# Altium PCB ArduinoUnoShield.PcbDoc (part 1 of 2) (continued)
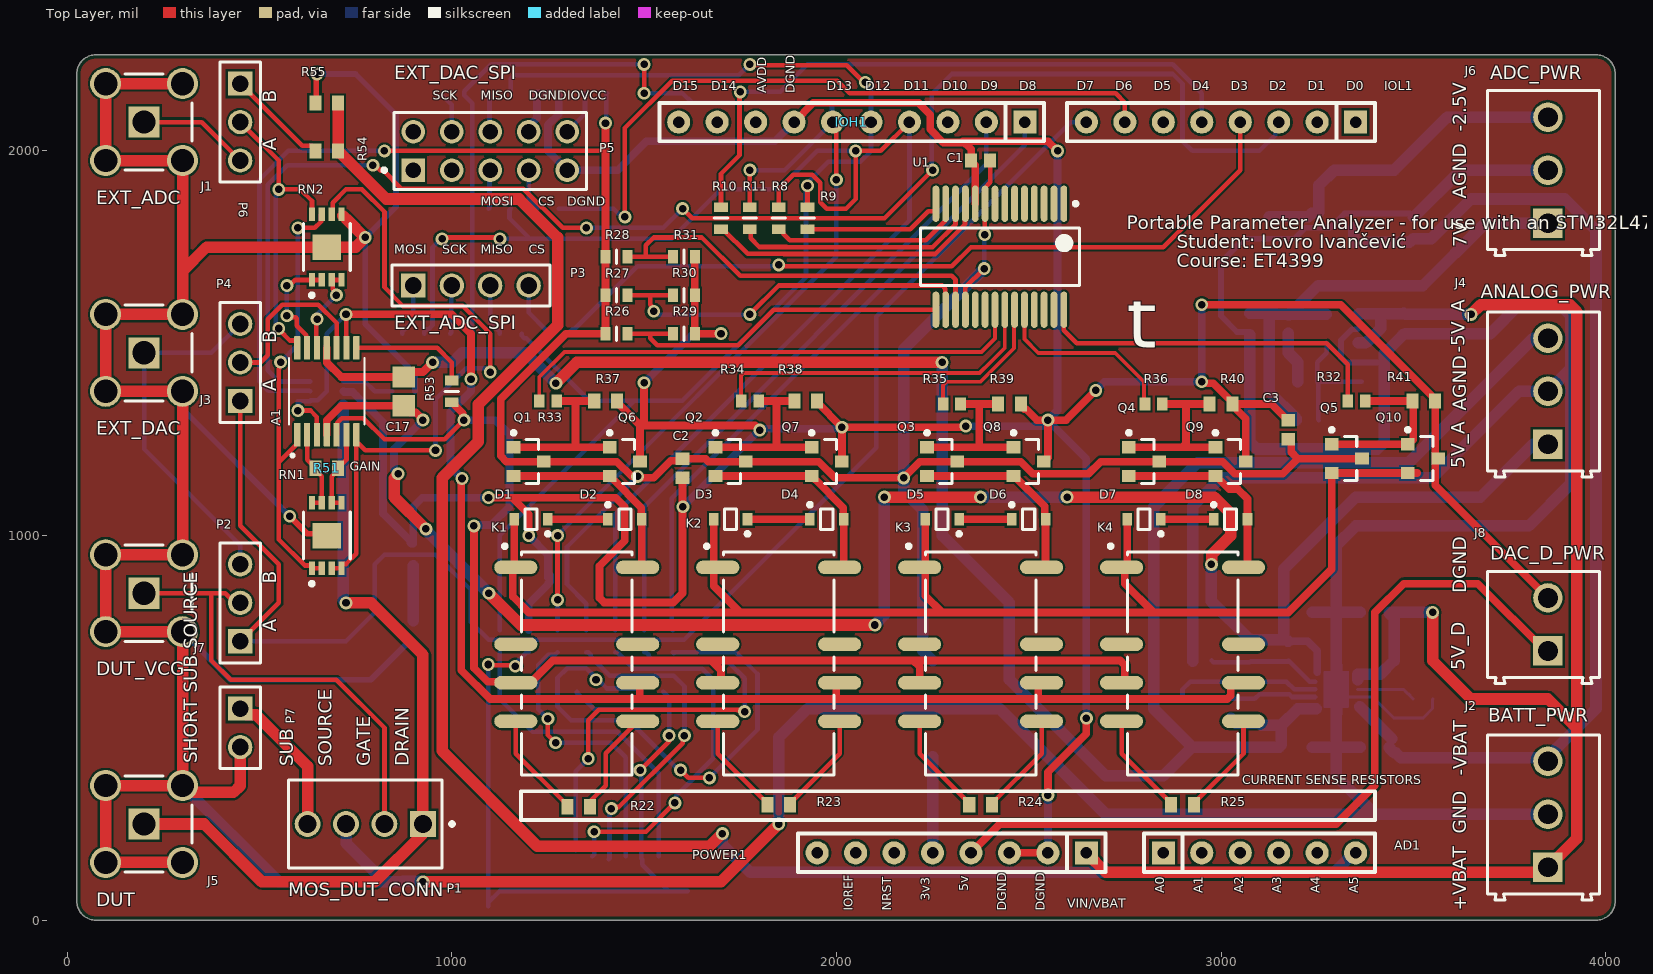
[diagram p0: Top Layer view]
## Footprints (in the part's own frame and the unit in brackets; to place one, negate y for a bottom-side part, rotate by r counter-clockwise, add the part's x,y. Pads: shape width x height; smd on the part's side, far side on the other; paste and mask are expansions set on the pad) (continued)
  rect 0.8x1.5 smd: 1(1.94,-3.66) 2(0.84,-3.26) 3(-0.26,-3.66) 4(-1.36,-3.86) 5(-2.46,-3.66) 6(-3.56,-3.86) 7(-4.66,-3.66) 8(-5.76,-3.66)
  rect 1x0.95 smd: 9(-3.56,7.425)
  rect 1.3x1.4 smd: 10(-4.95,7.2) 11(0.75,7.2)
  rect 1.4x1.9 smd: 12(6.6,-6.95) 13(-6.55,-5.95)
  silkscreen extent -7,-7.6 7.77,7.6, body extent -7.05,-7.6 7.05,7.6, height 1.85
MOLX-731000114_V [mm] "Connector, 5-Leads, Body 14.8x6.35mm, Pitch 2.54mm"
  rect 2.05x2.05 hole 1.54: 1(0,0)
  round 2.05 hole 1.54: 2(-2.54,2.54) 3(-2.54,-2.54) 4(2.54,-2.54) 5(2.54,2.54)
  silkscreen extent -1.26,-3.17 3.17,3.17, body extent -11.62,-3.17 3.18,3.18, height 9.57
ONSC-SOD-323-2-477-02_V [mm] "SOD, 2-Leads, Body 1.7x1.25mm"
  rect 0.63x0.83 smd: 1(-1.115,0) 2(1.115,0)
  silkscreen extent -1.24,-0.67 0.4,1.09, body extent -0.85,-0.63 0.85,0.63, height 1.06
ONSC-SOT-23-3-318-08_V [mm] "SOT23, 3-Leads, Body 2.92x1.3mm, Pitch 0.95mm"
  rect 0.9x0.8 smd: 1(-1,0.95) 2(-1,-0.95) 3(1,0)
  silkscreen extent -1.12,-1.46 0.65,2.02, body extent -0.65,-1.46 0.65,1.46, height 1.11
RESC0805(2012)_N [mm] "Chip Resistor, Body 2.0x1.3mm, IPC Medium Density"
  rect 1.05x1.4 smd: 1(-0.95,0) 2(0.95,0)
  silkscreen extent -0.05,-0.6 0.05,0.6, body extent -1.1,-0.67 1.1,0.68, height 0.7
RESC1608X55X25ML10T15 [mm] "Chip Resistor, 2-Leads, Body 1.70x0.90mm, IPC Low Density"
  rect 0.8x1 smd: 1(-0.75,0) 2(0.75,0)
  body extent -0.85,-0.45 0.85,0.45, height 0.55
RESC1609X50X30LL10T20 [mm] "Chip Resistor, 2-Leads, Body 1.55x0.85mm, IPC High Density"
  rect 0.7x0.85 smd: 1(-0.575,0) 2(0.575,0)
  body extent -0.82,-0.48 0.82,0.48, height 0.5
RESC1609X50X30NL8T20 [mm] "Chip Resistor, 2-Leads, Body 1.65x0.95mm, IPC Medium Density"
  rect 0.8x0.95 smd: 1(-0.65,0) 2(0.65,0)
  body extent -0.82,-0.48 0.83,0.48, height 0.5
SMTC-TSW-105-07-G-D_V [mm] "THD, 10-Leads, Body 12.7x5.08mm, Pitch 2.54mm"
  rect 1.55x1.55 hole 1.02: 1(-5.08,-1.27)
  round 1.55 hole 1.02: 2(-5.08,1.27) 3(-2.54,-1.27) 4(-2.54,1.27) 5(0,-1.27) 6(0,1.27) 7(2.54,-1.27) 8(2.54,1.27) 9(5.08,-1.27) 10(5.08,1.27)
  silkscreen extent -7.12,-2.54 6.35,2.54, body extent -6.35,-2.54 6.35,2.54, height 8.38
SSOP-SS28_M [mm] "SOP, 28-Leads, Body 10.2x5.2mm, Pitch 0.65mm, IPC Low Density"
  oval 2.4x0.45 smd: 1(-3.5,4.225) 2(-3.5,3.575) 3(-3.5,2.925) 4(-3.5,2.275) 5(-3.5,1.625) 6(-3.5,0.975) 7(-3.5,0.325) 8(-3.5,-0.325) 9(-3.5,-0.975) 10(-3.5,-1.625) 11(-3.5,-2.275) 12(-3.5,-2.925) 13(-3.5,-3.575) 14(-3.5,-4.225) 15(3.5,-4.225) 16(3.5,-3.575) 17(3.5,-2.925) 18(3.5,-2.275) 19(3.5,-1.625) 20(3.5,-0.975) 21(3.5,-0.325) 22(3.5,0.325) 23(3.5,0.975) 24(3.5,1.625) 25(3.5,2.275) 26(3.5,2.925) 27(3.5,3.575) 28(3.5,4.225)
  silkscreen extent -3.62,-5.25 1.9,5.25, body extent -2.8,-5.25 2.8,5.25, height 2
TPS7A3901DSCT [mm]
  rrect42% 0.6x0.24 smd paste+0 mask+0: 1(-1.4,1) 2(-1.4,0.5) 3(-1.4,0) 4(-1.4,-0.5) 5(-1.4,-1) 6(1.4,-1) 7(1.4,-0.5) 8(1.4,0) 9(1.4,0.5) 10(1.4,1)
  round 1.485 smd paste-1000 mask+0: 11(0,0)
  Top Layer region: -0.825,-1.15 -0.818,-1.175 -0.8,-1.193 -0.775,-1.2 -0.775,-1.2 -0.375,-1.2 -0.375,-1.65 -0.368,-1.675 -0.35,-1.693 -0.325,-1.7 -0.325,-1.7 -0.175,-1.7 -0.156,-1.696 -0.14,-1.685 -0.129,-1.669 -0.125,-1.65 -0.125,-1.65 -0.125,-1.2 0.125,-1.2 0.125,-1.65 0.129,-1.669 0.14,-1.685 0.156,-1.696 0.175,-1.7 0.175,-1.7 0.325,-1.7 0.35,-1.693 0.368,-1.675 0.375,-1.65 0.375,-1.65 0.375,-1.2 0.775,-1.2 0.8,-1.193 0.818,-1.175 0.825,-1.15 0.825,-1.15 0.825,1.15 0.818,1.175 0.8,1.193 0.775,1.2 0.775,1.2 0.375,1.2 0.375,1.65 0.368,1.675 0.35,1.693 0.325,1.7 0.325,1.7 0.175,1.7 0.156,1.696 0.14,1.685 0.129,1.669 0.125,1.65 0.125,1.65 0.125,1.2 -0.125,1.2 -0.125,1.65 -0.132,1.675 -0.15,1.693 -0.175,1.7 -0.175,1.7 -0.325,1.7 -0.35,1.693 -0.368,1.675 -0.375,1.65 -0.375,1.65 -0.375,1.2 -0.775,1.2 -0.8,1.193 -0.818,1.175 -0.825,1.15 -0.825,1.15
  silkscreen extent -2.43,-1.55 1.55,1.55, body extent -1.5,-1.5 1.5,1.5, height 0.8
TSSOP14 [mm]
  rrect25% 1.57x0.41 smd: 1(-2.87,1.95) 2(-2.87,1.3) 3(-2.87,0.65) 4(-2.87,0) 5(-2.87,-0.65) 6(-2.87,-1.3) 7(-2.87,-1.95) 8(2.87,-1.95) 9(2.87,-1.3) 10(2.87,-0.65) 11(2.87,0) 12(2.87,0.65) 13(2.87,1.3) 14(2.87,1.95)
  silkscreen extent -4.34,-2.5 2.2,2.5, body extent -3.2,-2.5 3.2,2.5, height 1.2

## Part data
AD1: Supplier Part Number 1=2699089, Supplier 1=Arrow, Supplier 2=Digi-Key, Supplier 3=Arrow, Supplier 4=Arrow, Supplier Part Number 2=SAM1198-06-ND, Supplier Part Number 3=2699088, Supplier Part Number 4=2699075
C1: library part CMP-2006-02216-1, Manufacturer=Kemet, Part Number=C0603C105K3PACTU
C2 C3 C14 C16: library part CMP-2006-02216-1, Manufacturer=Kemet, Part Number=C0603C105K3PACTU
C4 C6 C7 C9 C17: library part CMP-2007-03541-1, Manufacturer=Murata, Part Number=GRM21BR61E106KA73L
C5 C8: library part CMP-2006-04374-1, Manufacturer="AVX Interconnect / Elco", Part Number=06035C-103KAT2A
C10: library part CMP-2006-04439-1, Manufacturer="AVX Interconnect / Elco", Part Number=06035C472KAT2A
C11 C12 C13 C15: library part CMP-2006-02820-1, Manufacturer=Murata, Part Number=GRM188R61E225KA12D
D1 D2 D3 D4 D5 D6 D7 D8: library part CMP-1060-00701-1, "Zener Voltage Regulator, 300 mW, 2-Pin SOD-323, Pb-Free, Tape and Reel", Manufacturer="On Semiconductor", ComponentLink1Description="Manufacturer URL", ComponentLink1URL=http://www.onsemi.com/, ComponentLink2Description=Datasheet, ComponentLink2URL=http://www.onsemi.cn/pub_link/Collateral/MM3Z2V4T1-D.PDF, ComponentLink3Description="Package Specification", ComponentLink3URL=http://www.onsemi.com/pub_link/Collateral/477-02.PDF.1, DatasheetVersion="Rev. 9", Mounting Technology="Surface Mount", P Max (W)=0.3, PackageDescription="2-Pin SOD, Body 1.7 x 1.25 mm", PackageReference=SOD-323-2-477-02, PackageVersion="Rev. H, 03/2007", Packing="Tape and Reel", PartNumber=SZMM3Z6V2T1G, RoHS=Pb-Free, VZ Typ (V)=6.2
F1: library part CMP-08604-000003-1, "FUSE BOARD MNT 125MA 125VAC/VDC", Fuse Current=0.125A, Manufacturer="Littelfuse Inc", Package=0154, Temperature="-55°C to +125°C", Temperature Range High=+125°C, Temperature Range Low=-55°C, Voltage Rating Ac=125V, Automotive=No, Category=Fuse, ComponentLink2Description=Datasheet, ComponentLink2URL=https://www.littelfuse.com/~/media/electronics/datasheets/fuses/littelfuse_fuse_154_154t_154l_154tl_datasheet.pdf.pdf, Conn Orientation=Horizontal, Device Class L1="Circuit Protection", Device Class L2="Fuse Holders", Device Class L3=unset, Digikey Description="FUSE BOARD MNT 125MA 125VAC/VDC", Height=3.81mm, Lead Free=Yes, Manufacturer Part Number=0154.125DR, Mouser Description="Fuse Chip Very Fast Acting 0.125A SMD Solder Pad 9.73 X 5.03 X 3.81mm T/R CSA/PSE/UL", Number Of Fuses=1, Octopart=https://octopart.com/0154.125dr-littelfuse-557957, RoHS=TRUE, Voltage Rating Dc=125V
IOH1: Supplier Part Number 1=2698803S4475693N1004, Supplier 1=Arrow, Supplier 2=Digi-Key, Supplier 3=Arrow, Supplier Part Number 2=SAM1198-10-ND, Supplier Part Number 3=2698789
IOL1 POWER1: Supplier Part Number 1=SAM1198-08-ND, Supplier 1=Digi-Key, Supplier 2=Arrow, Supplier 3=Arrow, Supplier 4=Arrow, Supplier Part Number 2=2698939, Supplier Part Number 3=2698940, Supplier Part Number 4=2698925
J1 J3 J5 J7: library part CMP-2000-05487-1, "SMA Right-Angle PCB Jack Receptacle, Brass Body, Gold Plated, 50 Ohm, 5-Pin THD, RoHS, Tray", Manufacturer=Molex, Package Description="5-Pin Through Hole Device, Body 14.8 x 6.35 mm, Pitch 2.54 mm", Datasheet URL=http://www.molex.com/webdocs/datasheets/pdf/en-us/0731000114_RF_COAX_CONNECTORS.pdf, Datasheet Version=09/2016, Manufacturer URL=http://www.molex.com/, Mounting Technology=ThroughHole, Package Reference=731000114, Package URL=http://www.molex.com/pdm_docs/sd/731000114_sd.pdf
J2 J4 J6: library part CMP-1502-02466-1, "Serie 2141 - 3.50 mm Horizontal Entry Modular with Rising Cage Clamp WR-TBL, 3 pin", Manufacturer="Wurth Elektronik", Operating Temperature=-40to105degC, Datasheet URL=http://katalog.we-online.de/em/datasheet/6912141100xx.pdf, Manufacturer URL=http://www.we-online.de, Mounting Technology=THT, Package Reference=691214110003, Packaging=Box, Part Number=691214110003, Pin Number=3, Pitch=3.50mm, Publisher=WurthElektronik
J8: library part CMP-1502-02464-1, "Serie 2141 - 3.50 mm Horizontal Entry Modular with Rising Cage Clamp WR-TBL, 2 pin", Manufacturer="Wurth Elektronik", Operating Temperature=-40to105degC, Datasheet URL=http://katalog.we-online.de/em/datasheet/6912141100xx.pdf, Manufacturer URL=http://www.we-online.de, Mounting Technology=THT, Package Reference=691214110002, Packaging=Box, Part Number=691214110002, Pin Number=2, Pitch=3.50mm, Publisher=WurthElektronik
K1 K2 K3 K4: library part CMP-03396-000019-1, "RELAY GEN PURPOSE DPDT 2A 3VDC", Ambient Temperature Range High=+85°C, Ambient Temperature Range Low=-40°C, Coil Power=200mW, Coil Resistance=45Ω, Coil Voltage=3V, Current Rating=2A, Manufacturer=TE, Switching Current=5A, Switching Power=60W, Temperature="-40°C to +85°C", Automotive=No, Category=Relay, Coil Type=Non-Latching, ComponentLink2Description=Datasheet, ComponentLink2URL=https://www.te.com/usa-en/product-4-1393789-7.html?te_bu=Cor&te_type=other&te_campaign=oct_glo_cor-oct-global-oth-prtnr-fy19-oct-octo-buy-bom_sma-298_2&elqCampaignId=35216, Device Class L1=Electromechanical, Device Class L2=Relays, Device Class L3="Signal Relays", Digikey Description="RELAY GEN PURPOSE DPDT 2A 3VDC", Height=10.05mm, Lead Free=Yes, Manufacturer Part Number=4-1393789-7, Number Of Contacts=2, Octopart=https://octopart.com/4-1393789-7-te+connectivity-40938501, Package=4-1393789-7, RoHS=TRUE, Temperature Range High=+85°C, Temperature Range Low=-40°C, Throw Configuration=DPDT
P1: library part CMP-2000-05243-1, "Male Header, Pitch 2.54 mm, 1 x 4 Position, Height 11.7 mm, Tail Length 3.56 mm, RoHS, Bulk", Current Rating=4A, Manufacturer=Molex, Operating Temperature=0degCto+75degC, Voltage Rating=250V, Contact material=Tinplatedbrass, Datasheet URL=http://www.molex.com/pdm_docs/sd/022272041_sd.pdf, Datasheet Version="Rev. F, 06/2009", Housing material=Nylon(UL94V-0), Manufacturer URL=http://www.molex.com/
P2 P4 P6: library part CMP-1502-01062-1, "THT Vertical Pin Header WR-PHD, Pitch 2.54 mm, Single Row, 3 pins", Contact Resistance=20mOhm, Manufacturer="Wurth Elektronik", Operating Temperature=-40to105degC, Rated Current=3A, Withstanding Voltage=500VAC, Working Voltage=250VAC, Datasheet URL=https://katalog.we-online.de/em/datasheet/6130xx11121.pdf, Gender=Male, Manufacturer URL=http://www.we-online.de, Mounting Technology=THT, Orientation=Vertical, Package Reference=61300311121, Packaging=Bag, Part Number=61300311121, Pin Number=3, Pitch=2.54mm, Publisher=WurthElektronik, Row Number=Single
P3: library part CMP-1502-01064-1, "THT Vertical Pin Header WR-PHD, Pitch 2.54 mm, Single Row, 4 pins", Contact Resistance=20mOhm, Manufacturer="Wurth Elektronik", Operating Temperature=-40to105degC, Rated Current=3A, Withstanding Voltage=500VAC, Working Voltage=250VAC, Datasheet URL=https://katalog.we-online.de/em/datasheet/6130xx11121.pdf, Gender=Male, Manufacturer URL=http://www.we-online.de, Mounting Technology=THT, Orientation=Vertical, Package Reference=61300411121, Packaging=Bag, Part Number=61300411121, Pin Number=4, Pitch=2.54mm, Publisher=WurthElektronik, Row Number=Single
P5: library part CMP-2000-07330-1, "Post Terminal Strip Assembly, Pitch 2.54 mm, 2 x 5 Position, Height 8.58 mm, Tail Length 2.54 mm, -55 to 125 degC, RoHS, Bulk", Color=Black, Manufacturer=Samtec-Inc., Package Description="Male Header, Pitch 2.54 mm, 2 x 5 Position, Height 8.58 mm, Tail Length 2.54 mm", Category=Connectors,Interconnects, Connector Type=Header,Unshrouded, Contact Finish=Gold, Contact Finish Thickness=10µin(0.25µm), Contact Mating Length="0.230\"(5.84mm)", Contact Type=MalePin, Datasheet URL=http://suddendocs.samtec.com/prints/tsw-xxx-xx-xxx-x-xx-xxx-mkt.pdf, Datasheet Version="Rev. DO, 08/1988", Family=RectangularConnectors-Headers,MalePins, Fastening Type=-, Features=-, Manufacturer URL=http://www.samtec.com/, Mounting Technology=ThroughHole, Mounting Type=ThroughHole, Number of Positions=10, Number of Positions Loaded=All, Number of Rows=2, Package Reference=TSW-105-07-G-D, Package URL=http://suddendocs.samtec.com/prints/tsw-xxx-xx-x-x-xx-xxx-footprint.pdf, Packaging=Bulk, Pitch="0.100\"(2.54mm)", Row Spacing="0.100\"(2.54mm)", Series=TSW, Termination=Solder
P7: library part CMP-1502-01060-1, "THT Vertical Pin Header WR-PHD, Pitch 2.54 mm, Single Row, 2 pins", Contact Resistance=20mOhm, Manufacturer="Wurth Elektronik", Operating Temperature=-40to105degC, Rated Current=3A, Withstanding Voltage=500VAC, Working Voltage=250VAC, Datasheet URL=https://katalog.we-online.de/em/datasheet/6130xx11121.pdf, Gender=Male, Manufacturer URL=http://www.we-online.de, Mounting Technology=THT, Orientation=Vertical, Package Reference=61300211121, Packaging=Bag, Part Number=61300211121, Pin Number=2, Pitch=2.54mm, Publisher=WurthElektronik, Row Number=Single
Q1 Q2 Q3 Q4 Q5: library part CMP-1048-00019-1, "General Purpose Transistor, NPN Silicon, 3-Pin SOT-23, Pb-Free, Tape and Reel", Manufacturer="On Semiconductor", ComponentLink1Description="Manufacturer URL", ComponentLink1URL=http://www.onsemi.com/, ComponentLink2Description=Datasheet, ComponentLink2URL=http://www.onsemi.com/pub_link/Collateral/BC817-16LT1-D.PDF, ComponentLink3Description="Package Specification", ComponentLink3URL=http://www.onsemi.cn/pub_link/Collateral/318-08.PDF, DatasheetVersion="Rev. 12", fT Min (MHz)=100, IC Continuous (A)=0.5, Mounting Technology="Surface Mount", PackageDescription="3-Pin Small Outline Transistor, Body 2.92 x 1.3 mm, Pitch 0.95 mm", PackageReference=SOT-23-3-318-08, PackageVersion="Rev. AP, 11/2009", Packing="Tape and Reel", PartNumber=BC817-40LT1G, Polarity=NPN, RoHS=TRUE
Q6 Q7 Q8 Q9 Q10: library part CMP-1048-00745-1, "General Purpose Transistor, PNP Silicon, 3-Pin SOT-23, Pb-Free, Tape and Reel", Manufacturer="On Semiconductor", ComponentLink1Description="Manufacturer URL", ComponentLink1URL=http://www.onsemi.com/, ComponentLink2Description=Datasheet, ComponentLink2URL=http://www.onsemi.com/pub_link/Collateral/BC807-16LT1-D.PDF, ComponentLink3Description="Package Specification", ComponentLink3URL=http://www.onsemi.cn/pub_link/Collateral/318-08.PDF, DatasheetVersion="Rev. 10", fT Min (MHz)=100, IC Continuous (A)=-0.5, Mounting Technology="Surface Mount", PackageDescription="3-Pin Small Outline Transistor, Body 2.92 x 1.3 mm, Pitch 0.95 mm", PackageReference=SOT-23-3-318-08, PackageVersion="Rev. AP, 11/2009", Packing="Tape and Reel", PartNumber=BC807-40LT1G, Polarity=PNP, RoHS=TRUE
R1 R2 R3 R4 R5 R6 R7 R8 R9 R10 R11 R12 R13 R14 R15 R16 R17 R18 R19 R20 R21 R26 R27 R28 R29 R30 R31 R46 R47 R53: library part CMP-07231-000023-1, "Thick Film Chip Resistors 0603 0Ω 0.1W 5%", Case Code (Imperial)=0603, Case Code (Metric)=1608, Max Operating Temperature=155°C, Max Power Dissipation=100mW, Min Operating Temperature=-55°C, Package Quantity=5000, Resistance=0mR, Temperature Coefficient=500ppm/°C, Tolerance=1%, Voltage Rating=50V, Case/Package=0603, Composition="Thick Film", Contact Plating=Tin, Depth=0.8mm, Height=0.45mm, Length=1.6mm, Military Standard=Not, Mount="Surface Mount", Number of Pins=2, Packaging="Tape and Reel", Power Rating=100mW, Radiation Hardening=No, REACH SVHC="No SVHC", Termination=SMD/SMT, Thickness=457um, Voltage Rating (DC)=50V, Width=0.8mm
R22 R23 R24 R25 R51 R52 R54 R55: library part CMP-009-00023-4, "do not place"
R32 R33 R34 R35 R36: library part CMP-2000-03085-1, Manufacturer="Vishay Dale", Part Number=CRCW0603220RFKEA
R37 R38 R39 R40 R41 R48: library part CMP-2100-03662-1, "Chip Resistor, 100 KOhm, +/- 1%, 0.1 W, -55 to 155 degC, 0603 (1608 Metric), RoHS, Tape and Reel", Case Code (Imperial)=0603, Case Code (Metric)=1608, Manufacturer=Yageo, Max Operating Temperature=155degC, Min Operating Temperature=-55degC, Package Description="2-Pin Surface Mount Device, Body 1.6 x 0.8 mm", Power Rating=100mW, Resistance=100KOhm, Temperature Coefficient=100ppm/degreesC, Tolerance=1%, Voltage Rating=50V, Case/Package=0603, Composition=ThickFilm, Datasheet URL=http://www.yageo.com/NewPortal/yageodocoutput?fileName=/pdf/R-Chip/PYu-RC_Group_51_RoHS_L_5.pdf, Datasheet Version="Rev. 5, 10/2016", Depth=0.8mm, Height=0.45mm, Lead Free=LeadFree, Length=1.6mm, Manufacturer URL=http://www.yageo.com/, Military Standard=Not, Number of Pins=2, Package Reference=0603, Packaging=TapeandReel, REACH SVHC=NoSVHC, RoHSCompliant=true, Termination=SMD/SMT, Voltage Rating (DC)=50V, Width=0.8mm
R42: library part CMP-2000-04011-1, Manufacturer=Yageo, Part Number=RC0603FR-0732K4L
R43: library part CMP-1013-00693-1, "42K2 0.125W 1% 0805 (2012 Metric)  SMD", Case-EIA=0805, Case-Metric=2012, Power="0.125 W", Tolerance="1 %", Technology=SMT
R44 R45 R49: library part CMP-1666-00005-4, "Chip Resistor, 10 KOhm, +/- 1%, 100 mW, -55 to 155 degC, 0603 (1608 Metric), RoHS, Tape and Reel", Manufacturer="Vishay Semiconductor", Max Operating Temperature="155 degC", Min Operating Temperature="-55 degC", Package Quantity=5000, Voltage Rating="75 V", ComponentLink1Description="Manufacturer URL", ComponentLink1URL=http://www.vishay.com/, ComponentLink2Description=Datasheet, ComponentLink2URL=https://datasheet.ciiva.com/11809/0900766b80d98afc-11809037.pdf, DatasheetVersion=06/2012, Height="0.45 mm", Length="1.55 mm", Mounting Technology="Surface Mount", PackageDescription="2-Pin Surface Mount Device, Body 1.575 x 0.85 mm", PackageReference=0603, Packaging="Tape and Reel", REACH SVHC=Unknown, RoHSCompliant=true
R50: library part CMP-2000-04152-1, Manufacturer=Yageo, Part Number=RC0603FR-0788K7L
RN1 RN2: library part CMP-09039-000001-1, "RES ARRAY 4 RES 1K OHM 8TSSOP", Manufacturer="Analog Devices", Number Of Resistors=4, Package=MS8E-8-05-08-1662, Power Per Resistor=800mW, Resistance=1kΩ, Temperature="-40°C to +125°C", Temperature Coefficient=8ppm/°C, Temperature Range High=+125°C, Temperature Range Low=-40°C, Tolerance=7.5%, Voltage Rating=75V, Automotive=No, Category=Res, ComponentLink2Description=Datasheet, ComponentLink2URL=https://www.analog.com/media/en/technical-documentation/data-sheets/5400fc.pdf, Device Class L1="Passive Components", Device Class L2=Resistors, Device Class L3="Resistor Arrays", Digikey Description="RES ARRAY 4 RES 1K OHM 8TSSOP", Height=1.1mm, Ipc Land Pattern Name=SOP65P490X110-8, Lead Free=Yes, Manufacturer Part Number=LT5400AHMS8E-4#PBF, Octopart=https://octopart.com/lt5400ahms8e-4%23pbf-analog+devices-88940367, RoHS=TRUE, Series=LT5400, Standoff Height=0.0508mm, Termination=Gull-Wing
SD1: library part CMP-2000-05848-1, "MicroSD(TM), Pitch 1.1 mm, 8 Position, Height 1.88 mm, -20 to 85 degC, RoHS, Tape and Reel", Manufacturer=Molex, Package Description="MicroSD(TM), Pitch 1.1 mm, 8 Position, Height 1.88 mm", Datasheet URL=http://www.molex.com/pdm_docs/sd/473521001_sd.pdf, Datasheet Version="Rev. G, 01/2012", Manufacturer URL=http://www.molex.com/, Mounting Technology=SurfaceMount, Package Reference=473521001
U1: library part CMP-0186-00173-2, "16-Bit I/O Expander with Serial Interface, 28-Pin SSOP, Extended Temperature, Tape and Reel", Code_JEDEC=MS-150, ComponentLink1Description="Manufacturer URL", ComponentLink1URL=http://www.microchip.com/, ComponentLink2Description=Datasheet, ComponentLink2URL=http://ww1.microchip.com/downloads/en/DeviceDoc/21952b.pdf, ComponentLink3Description="Package Specification", ComponentLink3URL=http://www.microchip.com/stellent/groups/techpub_sg/documents/packagingspec/en012702.pdf, DatasheetVersion="revB, Feb-2007", PackageDescription="28-Lead Plastic Shrink Small Outline (SS) - 5.3mm Body [SSOP]", PackageReference=SSOP-SS28, PackageVersion="revBB, Aug-2009", RevisionNote="URLs added. Sch pin type corrected."
U3: library part CMP-09138-000013-1, "IC REG LIN NEG ADJ 200MA 5TSOT", Ambient Temperature Range High=+85°C, Ambient Temperature Range Low=-40°C, Dropout Voltage=-185mV, Manufacturer="Analog Devices", Manufacturer Part Number=ADP7182AUJZ-R7, Max Junction Temp=+125°C, Max Supply Voltage=-28V, Min Supply Voltage=-2.7V, Nominal Supply Current=-33/-650uA, Output Current=-200mA, Output Voltage=-1.22/-27.815V, Package=UJ-5, Temperature="-40°C to +125°C", Accuracy Percentage=1%, Automotive=No, Category=IC, ComponentLink2Description=Datasheet, ComponentLink2URL=https://www.analog.com/media/en/technical-documentation/data-sheets/ADP7182.pdf, Device Class L1="Integrated Circuits (ICs)", Device Class L2="Power Management ICs", Device Class L3="Voltage Regulators - Linear", Digikey Description="IC REG LIN NEG ADJ 200MA 5TSOT", Height=1mm, Ipc Land Pattern Name=SOT95P280X100-5, Lead Free=Yes, Mouser Description="LDO Regulator Neg -1.22V to -27V 0.2A 5-Pin TSOT T/R", Number Of Outputs=1, Octopart=https://octopart.com/adp7182aujz-r7-analog+devices-21054665, Output Type=AdjustableProgrammable, RoHS=TRUE, Temperature Range High=+125°C, Temperature Range Low=-40°C
U4: library part CMP-09138-000020-1, "IC REG LIN 3.3V 200MA TSOT23-5", Case/Package=SOT-23-5, Dropout Voltage=200mV, Max Input Voltage=20V, Max Operating Temperature=125°C, Max Output Current=200mA, Min Current Limit=250mA, Min Input Voltage=2.7V, Min Operating Temperature=-40°C, Output Voltage=3.3V, Quiescent Current=140uA, Accuracy=0.8%, Contact Plating=Tin, Lead Free="Contains Lead", Mount="Surface Mount", Number Of Outputs=1, Number of Pins=5, Number of Regulators=1, Output Current=200mA, Output Type=Fixed, Packaging="Tape and Reel", Polarity=Positive
U5: library part CMP-04892-000008-1, "IC SWITCH SPDT SC70-6", Ambient Temperature Range High=+85°C, Ambient Temperature Range Low=-40°C, Manufacturer="Texas Instruments", Max Supply Voltage=5.5V, Min Supply Voltage=1.65V, Nominal Supply Current=0.01uA, On State Resistance=0.7Ω, Package=DCK0006A, Temperature="-40°C to +85°C", Automotive=No, Category=IC, ComponentLink2Description=Datasheet, ComponentLink2URL=http://www.ti.com/lit/ds/symlink/ts5a3160.pdf, Device Class L1="Integrated Circuits (ICs)", Device Class L2="Interface ICs", Device Class L3="Analog Switches", Digikey Description="IC SWITCH SPDT SC70-6", Height=1.1mm, Lead Free=Yes, Manufacturer Part Number=TS5A3160DCKR, Mouser Description="1-Ohm SPDT Analog Switch 5-V/3.3-V Single-Channel 2: 1 Multiplexer/Demultiplexer 6-SC70 -40 to 85", Number Of Circuits=1, Octopart=https://octopart.com/ts5a3160dckr-texas+instruments-665387, RoHS=TRUE, Standoff Height=0mm, Temperature Range High=+85°C, Temperature Range Low=-40°C, Throw Configuration=SPDT

## Via types
v1: diameter 33.46, hole 19.68, Top Layer to Bottom Layer, 94 vias

## Nets (pads, with @x,y where several pads share a name; then routed paths per layer and width w, separated by ;. In a path a pad name is that pad's centre, name@x,y a point inside that pad or via, vN(x,y) a via of type N, cw(c..) or ccw(c..) an arc to the next point about the centre after c; other vN are vias at no path point)
+INA: A1.3 A1.9 K1.9 K2.9 K3.9 K4.9 U5.4 | length 4013.8
  Top Layer w12: v1(600,1325) 632.7,1325 649.41,1308.29 A1.3@649.41,1262.01 ; v1(725,1575) 725.59,1574.41 725.59,1488.58 A1.9@726.18,1487.99
  Top Layer w20: v1(725,1575) 1000,1575 1050,1525 v1(1050,1406.55) ; v1(1026.61,1148.39) 1025,1146.77 1025,650 1100,575 1495.18,575 ; K1.9@1483.46,617.24 1488.94,611.77 1488.94,581.24 1495.18,575 ; K2.9@2008.46,617.24 2007.13,617.24 2000,610.11 2000,575 ; K3.9@2533.46,617.24 2532.13,617.24 2525,610.11 2525,575 ; K4.9@3058.46,617.24 3032.66,617.24 3025.53,610.11 3025.53,584.31 3016.22,575 2525,575 ; 1495.18,575 2000,575 ; 2000,575 2525,575
  Bottom Layer w12: v1(600,1325) 600,1348.82 600.59,1349.41 U5.4@631.69,1349.41 633.57,1351.28 651.28,1351.28 675,1375 675,1525 v1(725,1575)
  Bottom Layer w20: v1(1026.61,1148.39) 996.46,1178.54 996.46,1321.46 1050,1375 v1(1050,1406.55)
+INB: A1.5 K1.4 K2.4 K3.4 K4.4 R53.2 | length 3188.8
  Top Layer w12: A1.5@700.59,1262.01 702.66,1264.08 702.66,1293.12 714.36,1304.82 770.18,1304.82 825,1250 981.46,1250 v1(1031.46,1300) ; R53.2@997.69,1344.15 R53.2@1000,1346.46
  Top Layer w20: R53.2@1004.92,1346.46 1007.72,1343.66 1007.72,1338.74 1028.88,1317.58 1028.88,1302.58 v1(1031.46,1300) ; v1(1057.64,1025) 1057.64,655.79 1093.24,620.2 1163.58,620.2 K1.4@1166.54,617.24 ; K1.4@1175,624.37 1207.87,624.37 1209.96,622.29 1262.68,675 1675,675 ; K2.4@1691.54,617.24 1692.87,617.24 1700,624.37 1700,650 1675,675 ; K3.4@2216.54,617.24 2216.54,658.46 2200,675 ; K4.4@2741.54,617.24 2742.87,617.24 2750,624.37 2750,663.28 2738.28,675 2200,675 ; 1675,675 2200,675
  Bottom Layer w20: v1(1031.46,1300) 1113.28,1300 1150,1263.28 1150,1075 1102.58,1027.58 1060.21,1027.58 v1(1057.64,1025)
+INC: A1.10 P4.2 | length 451.7
  Top Layer w12: P4.2@450,1450 503.03,1450 521.36,1468.33 521.36,1561.86 559.5,1600 653.12,1600 700.59,1552.53 A1.10@700.59,1487.99
+IND: A1.12 RN2.3 RN2.4 | length 229.4
  Top Layer w12: A1.12@649.41,1487.99 647.89,1489.52 647.89,1560.39 v1(650.06,1562.56) ; v1(700,1625) 700,1630.81 690.06,1640.75 690.06,1662.28 RN2.3@687.8,1664.55 RN2.4@713.39,1664.55
  Bottom Layer w12: v1(650.06,1562.56) 650.06,1575.06 v1(700,1625)
-INA: A1.2 R51.2 RN1.7 RN1.8 | length 220.4
  Top Layer w12: A1.2@623.82,1262.01 623.82,1196.65 631.79,1188.69 635.72,1188.69 645.47,1178.94 645.47,1171.06 662.2,1154.33 RN1.7@662.2,1085.45 RN1.8@636.61,1085.45
-INB: A1.6 R51.1 RN1.5 RN1.6 | length 220.4
  Top Layer w12: RN1.5@713.39,1085.45 RN1.6@687.8,1085.45 687.8,1154.33 704.53,1171.06 R51.1@704.53,1175 704.53,1178.94 714.28,1188.69 718.21,1188.69 726.18,1196.65 A1.6@726.18,1262.01
-IND: A1.13 RN2.1 RN2.2 | length 291.4
  Top Layer w12: v1(571.36,1571.36) 575.47,1567.26 593.97,1567.26 596.89,1564.33 596.89,1545.28 621.75,1520.43 621.75,1490.06 A1.13@623.82,1487.99 ; v1(571.36,1650) 578.21,1650 592.76,1664.55 RN2.1@636.61,1664.55 RN2.2@662.2,1664.55
  Bottom Layer w12: v1(571.36,1571.36) v1(571.36,1650)
A0: AD1.1
A1: AD1.2
A2: AD1.3
A3: AD1.4
A4: AD1.5
A5: AD1.6 R54.1 R55.2 | length 4822.4
  Top Layer w30: R55.2@704.53,2125 R54.1@704.53,2000 704.53,1996.06 705.28,1995.31 709.21,1995.31 829.53,1875 1175,1875 1275,1775 1275,1546.77 1069.09,1340.87 1069.09,1244.09 975,1150 975,440 1222.64,192.36 1670.06,192.36 1702.7,225 v1(1703.64,225)
  Bottom Layer w30: v1(1703.64,225) 1702.97,224.34 1702.97,199.16 1701.91,198.09 1775.91,124.09 3294.84,124.09 3345.74,175 AD1.6@3350,175
A_0: R26.1 R29.2 U1.15 | length 918.9
  Top Layer w12: R26.1@1457.09,1525 1516.04,1525 ; R29.2@1575,1525 1516.04,1525 ; U1.15@2258.66,1587.2 1837.2,1587.2 1744.54,1494.54 1534,1494.54 1516.04,1512.5 1516.04,1525
A_1: R27.1 R30.2 U1.16 | length 1017.2
  Top Layer w12: R27.1@1457.09,1625 1516.04,1625 ; v1(1525,1583.02) 1525,1591.04 1516.04,1600 1516.04,1625 ; R30.2@1575,1625 1516.04,1625 ; v1(1775,1575) 1850,1650 2275,1650 2283.16,1641.84 2283.16,1586.11 U1.16@2284.25,1587.2
  Bottom Layer w12: v1(1525,1583.02) 1530.81,1583.02 1539.35,1574.48 1774.48,1574.48 v1(1775,1575)
A_2: R28.1 R31.2 U1.17 | length 1084.8
  Top Layer w12: R28.1@1457.09,1725 1504.32,1725 ; R31.2@1575,1725 1504.32,1725 ; U1.17@2309.84,1587.2 2309.84,1665.16 2300,1675 1750,1675 1650,1775 1525,1775 1504.32,1754.32 1504.32,1725
ADC_CNV: P3.4 R20.1 | length 145.7
  Bottom Layer w12: P3.4@1200,1650 1200,1579.92 1250,1529.92 R20.1@1250,1525
ADC_SCK: P3.2 R16.1 | length 126.5
  Bottom Layer w12: R16.1@996.46,1525 998.23,1526.77 998.23,1648.23 P3.2@1000,1650
ADC_SDI: P3.1 R14.1 | length 136.8
  Bottom Layer w12: R14.1@871.46,1525 871.46,1529.92 900,1558.46 P3.1@900,1650
ADC_SDO: P3.3 R18.1 | length 135.4
  Bottom Layer w12: P3.3@1100,1650 1100,1554.92 1125,1529.92 R18.1@1125,1525